# Altium PCB FlightControlBoard.PcbDoc (part 3 of 3)
Units mm, origin at the board's own origin, x right, y up, seen from the top; angles counter-clockwise.
Board outline 24.4 x 39.4 mm, 6 copper layers (Top Layer, Layer 1, Layer 2, Layer 3, Layer 4, Bottom Layer), stack 0.98 mm thick; 258 components, 219 nets, 961 pads, 811 vias.
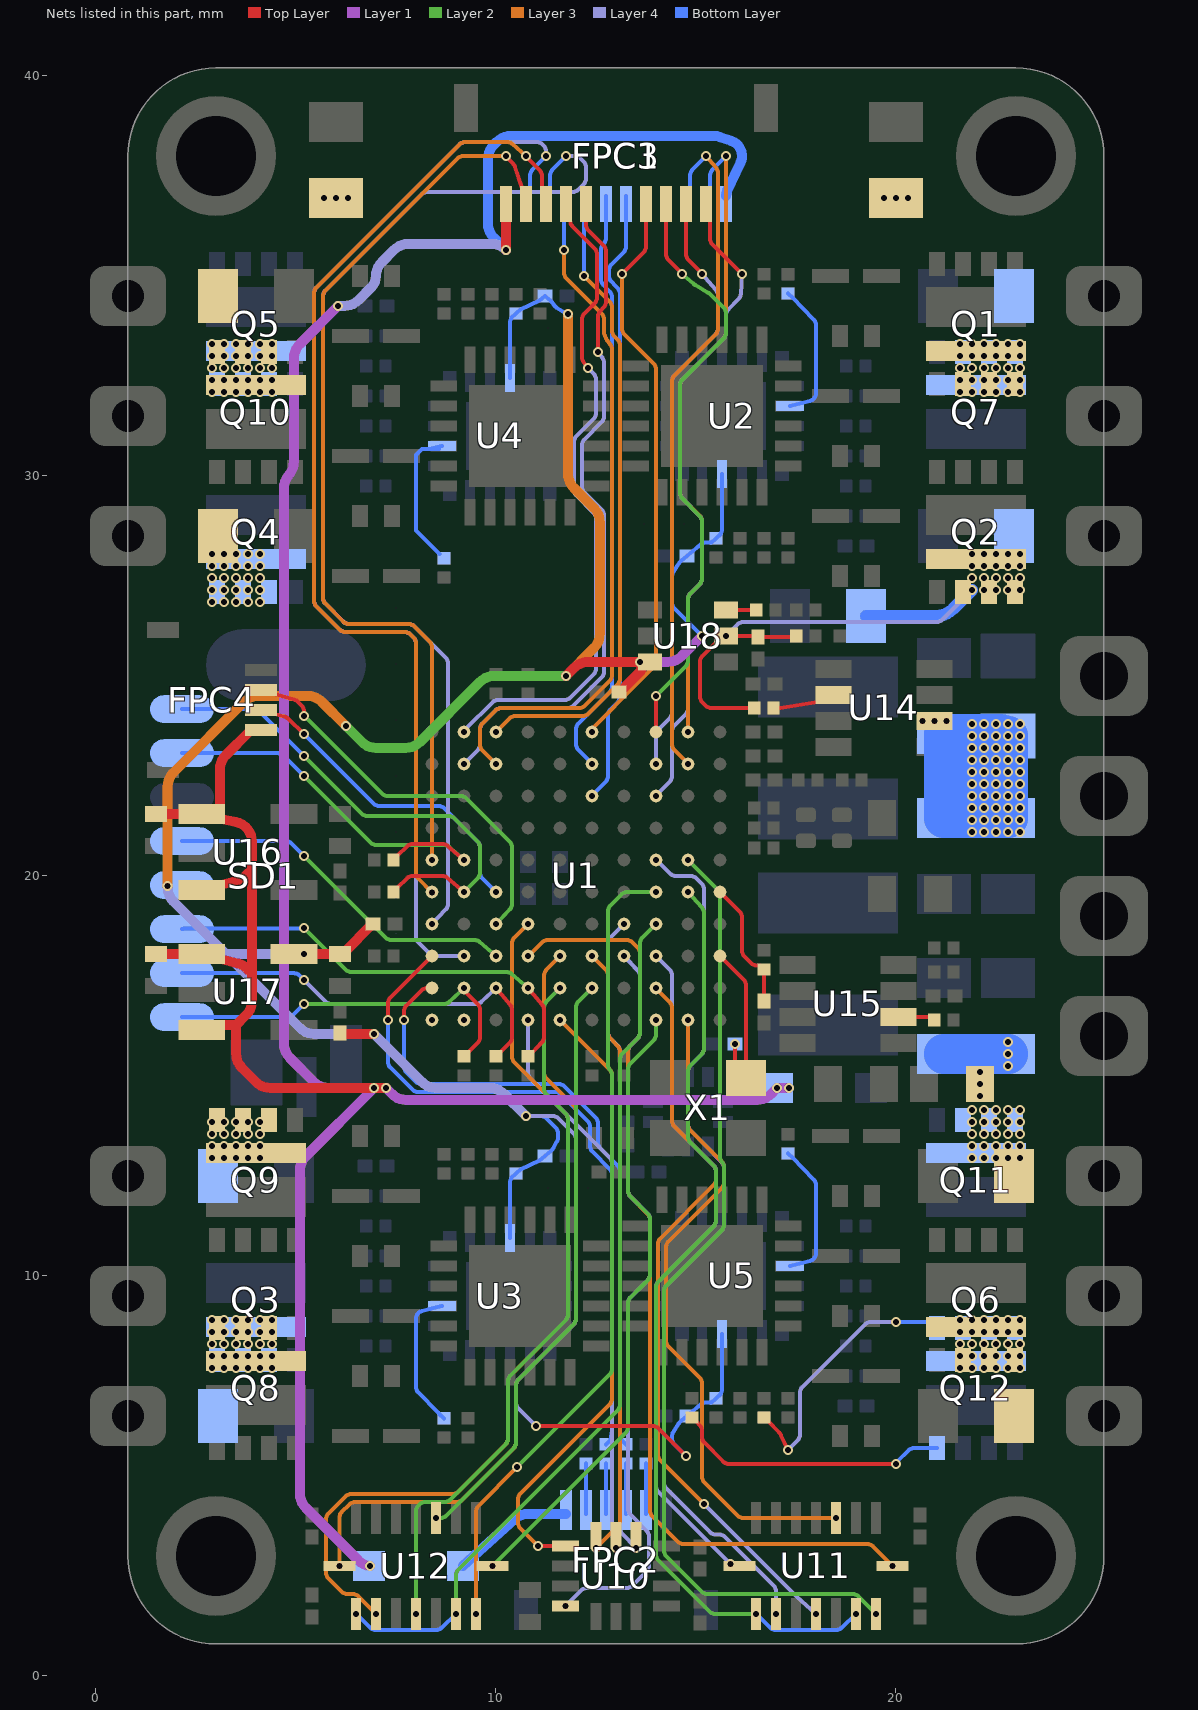
[diagram p7: the nets of this part, all layers, seen from the top]

## Via types
v1: diameter 0.25, hole 0.15, Top Layer to Bottom Layer, tented both sides, 811 vias

## Nets (pads, with @x,y where several pads share a name; then routed paths per layer and width w, separated by ;. In a path a pad name is that pad's centre, name@x,y a point inside that pad or via, vN(x,y) a via of type N, cw(c..) or ccw(c..) an arc to the next point about the centre after c; other vN are vias at no path point) (continued)
NetQ12_1: Q12.1 R67.1 | length 6.8
  Top Layer w0.1: R67.1@16.7,6.458 16.812,6.357 17.082,6.087 cw(c16.941,5.945) 17.122,6.03 v1(17.299,5.65)
  Layer 4 w0.1: v1(17.299,5.65) 17.542,5.892 ccw(c17.4,6.033) 17.6,6.033 17.6,7.084 cw(c17.8,7.084) 17.658,7.225 19.225,8.792 cw(c19.366,8.65) 19.366,8.85 v1(20,8.85)
  Bottom Layer w0.1: v1(20,8.85) 20.875,8.85 Q12.1@21.025,8.7
NetQ12_8: Q12.8 R73.1 | length 6.9
  Top Layer w0.1: R73.1@14.9,6.458 15.012,6.357 15.091,6.277 cw(c14.95,6.136) 15.15,6.136 15.15,5.973 ccw(c15.35,5.973) 15.208,5.832 15.682,5.358 ccw(c15.823,5.5) 15.823,5.3 v1(20,5.3)
  Bottom Layer w0.1: v1(20,5.3) cw(c20.187,5.229) 20.045,5.37 20.316,5.641 cw(c20.458,5.5) 20.458,5.7 Q12.8@21.025,5.7
NetR10_1: R10.1 U2.18 | length 3.5
  Bottom Layer w0.1: R10.1@17.3,34.558 17.412,34.457 17.943,33.916 cw(c17.8,33.776) 18,33.776 18,32.068 cw(c17.8,32.068) 17.849,31.874 17.651,31.825 U2.18@17.351,31.75
NetR11_1: R11.1 U3.18 | length 3.5
  Bottom Layer w0.1: U3.18@8.649,9.25 8.349,9.175 8.151,9.126 ccw(c8.2,8.932) 8,8.932 8,7.224 ccw(c8.2,7.224) 8.059,7.083 8.556,6.586 cw(c8.414,6.445) 8.588,6.543 R11.1@8.7,6.442
NetR12_1: R12.1 U4.18 | length 6.6
  Bottom Layer w0.1: U4.18@8.574,30.675 U4.18@8.349,30.675 ; R12.1@8.588,28.043 ccw(c8.414,27.945) 8.554,28.088 8,28.642 ; R12.1@8.587,28.044 ccw(c8.414,27.945) 8.555,28.086 8,28.642 ; U4.18@8.649,30.75 U4.18@8.349,30.675 ; 8,28.642 8,30.528 ; 8,28.642 8,30.528 ; 8,30.528 8.146,30.675 ; 8,30.528 8.146,30.675 ; 8.146,30.675 U4.18@8.349,30.675
NetR13_1: R13.1 U5.18 | length 3.5
  Bottom Layer w0.1: R13.1@17.3,13.058 17.412,12.957 17.943,12.416 cw(c17.8,12.276) 18,12.276 18,10.568 cw(c17.8,10.568) 17.849,10.374 17.651,10.325 U5.18@17.351,10.25
NetR91_1: R91.1 U14.6 | length 1.5
  Top Layer w0.1: R91.1@16.942,24.2 17.084,24.2 ccw(c17.084,24.4) 17.115,24.202 18.04,24.35 U14.6@18.44,24.525
NetR92_1: R92.1 U15.6 | length 0.9
  Top Layer w0.1: U15.6@20.06,16.475 20.857,16.475 R92.1@20.958,16.4
NetR95_1: R95.1 U18.6 | length 0.8
  Top Layer w0.1: U18.6@15.75,26.65 16,26.65 R95.1@16.508,26.65
NRST: C8.2 R1.1 U1.E1 | length 3.2
  Top Layer w0.1: U1.E1@15.6,19.6 16.091,19.108 cw(c15.95,18.967) 16.15,18.967 16.15,18.133 ccw(c16.35,18.133) 16.208,17.992 16.382,17.818 ccw(c16.523,17.96) 16.523,17.76 16.588,17.76 R1.1@16.7,17.658 C8.2@16.7,16.874
OSC_IN: C6.2 U1.C1 X1.3 | length 4.2
  Top Layer w0.1: U1.C1@15.6,18 16.191,17.409 cw(c16.05,17.267) 16.25,17.267 16.25,15.35 X1.3@16.25,14.95 15.974,15.35 v1(15.974,15.8)
Peripheral_3.3V: C9.1 C10.1 C11.1 C12.1 C36.2 C50.1 C52.1 C54.1 R6.1 R7.1 R8.1 R9.1 SD1.4 U2.4 U3.4 U4.4 U5.4 U17.5 U18.3 | length 75.7
  Top Layer w0.1: v1(11,6.25) 13.917,6.25 cw(c13.917,6.05) 14.059,6.191 v1(14.75,5.5)
  Top Layer w0.25: U17.5@4.954,18.05 v1(5.2,18.05) 5.955,18.05 C52.1@6.1,18.05 6.245,18.125 6.866,18.763 C36.2@6.926,18.8 ; C54.1@6.1,16.076 6.137,16.05 v1(6.95,16.05) ; v1(11.75,25) 11.954,25.204 cw(c12.307,24.85) 12.307,25.35 12.68,25.35 cw(c12.681,24.85) 12.683,25.35 v1(13.6,25.35) ; C50.1@13.074,24.6 13.134,24.637 13.603,25.107 13.629,25.137 ccw(c13.176,25.35) 13.65,25.19 v1(13.6,25.35) ; U18.3@13.85,25.35 ccw(c13.979,24.867) 13.696,25.28 13.675,25.265 v1(13.6,25.35)
  Layer 1 w0.25: v1(13.6,25.35) 14.293,25.35 ccw(c14.293,25.85) 14.646,25.496 v1(15.15,26)
  Layer 2 w0.25: v1(6.25,23.75) 6.654,23.346 ccw(c7.007,23.7) 7.007,23.2 7.743,23.2 ccw(c7.743,23.7) 8.095,23.345 9.604,24.854 cw(c9.957,24.5) 9.957,25 v1(11.75,25)
  Layer 3 w0.25: v1(1.793,19.75) 1.793,22.236 cw(c2.293,22.236) 1.938,22.588 3.704,24.354 cw(c4.057,24) 4.057,24.5 5.293,24.5 cw(c5.293,24) 5.646,24.354 v1(6.25,23.75) ; v1(11.75,25) 12.454,25.704 ccw(c12.1,26.057) 12.6,26.057 12.6,28.841 ccw(c12.1,28.841) 12.454,29.194 11.947,29.703 cw(c12.3,30.057) 11.8,30.057 v1(11.8,34.05)
  Layer 4 w0.1: v1(10.75,14) 11.417,14 cw(c11.417,13.8) 11.559,13.941 11.941,13.559 cw(c11.8,13.417) 12,13.417 12,8.933 cw(c11.8,8.933) 11.942,8.792 10.558,7.408 ccw(c10.7,7.267) 10.5,7.267 10.5,6.833 ccw(c10.7,6.833) 10.559,6.691 v1(11,6.25)
  Layer 4 w0.25: v1(1.793,19.75) 1.796,19.689 ccw(c2.295,19.712) 1.941,19.359 3.25,18.05 ; v1(5.2,18.05) 3.25,18.05 ; v1(10.75,14) 10.196,14.554 ccw(c9.843,14.2) 9.843,14.7 8.507,14.7 cw(c8.507,15.2) 8.154,14.846 v1(6.95,16.05) 5.457,16.05 cw(c5.457,16.55) 5.104,16.196 3.25,18.05
  Bottom Layer w0.1: U3.4@10.349,10.95 10.349,12.332 cw(c10.549,12.332) 10.372,12.426 10.388,12.457 R7.1@10.5,12.558 10.612,12.66 11.091,12.888 C10.1@11.226,13 11.36,13.112 11.401,13.153 ccw(c11.259,13.294) 11.434,13.197 11.525,13.361 ccw(c11.35,13.458) 11.55,13.458 11.55,13.567 ccw(c11.35,13.567) 11.491,13.709 11.259,13.941 ccw(c11.117,13.8) 11.117,14 v1(10.75,14) ; U4.4@10.349,32.45 10.349,33.832 cw(c10.549,33.832) 10.372,33.926 10.388,33.957 R8.1@10.5,34.058 10.612,34.16 11.091,34.388 C11.1@11.226,34.5 11.36,34.388 C11.1@11.367,34.381 ; C11.1@11.367,34.381 11.373,34.375 cw(c11.231,34.234) 11.391,34.353 11.47,34.248 ccw(c11.59,34.338) 11.513,34.209 11.741,34.073 ccw(c11.843,34.245) v1@11.799,34.05 ; v1(14.75,5.5) 14.458,5.792 cw(c14.6,5.933) 14.4,5.933 14.4,5.989 cw(c14.6,5.989) 14.432,6.098 14.575,6.317 cw(c14.743,6.208) 14.601,6.349 14.64,6.388 C12.1@14.774,6.5 14.909,6.612 15.126,6.794 cw(c15.254,6.64) 15.254,6.84 15.388,6.84 R9.1@15.5,6.942 15.612,7.043 15.628,7.074 ccw(c15.451,7.168) 15.651,7.168 U5.4@15.651,8.55 ; v1(15.15,26) 14.459,26.691 cw(c14.6,26.833) 14.4,26.833 14.4,27.482 cw(c14.6,27.482) 14.43,27.588 14.535,27.756 cw(c14.705,27.65) 14.537,27.759 14.576,27.817 cw(c14.743,27.708) 14.601,27.849 14.64,27.888 C9.1@14.774,28 14.909,28.112 15.126,28.294 cw(c15.254,28.14) 15.254,28.34 15.388,28.34 R6.1@15.5,28.442 15.612,28.543 15.628,28.574 ccw(c15.451,28.668) 15.651,28.668 U2.4@15.651,30.05
SDMMC_CK: SD1.5 U1.C8 | length 9
  Layer 2 w0.1: v1(5.2,20.5) 7.241,18.459 ccw(c7.383,18.6) 7.383,18.4 9.462,18.4 cw(c9.462,18.2) 9.592,18.351 v1(10,18)
  Bottom Layer w0.1: SD1.5@2.15,20.87 4.747,20.87 cw(c4.747,20.67) 4.889,20.811 v1(5.2,20.5)
SDMMC_CMD: R82.1 SD1.3 U1.B7 | length 11.3
  Top Layer w0.1: R82.1@10.8,15.492 10.912,15.593 11.145,15.835 ccw(c11,15.973) 11.2,15.973 11.2,16.658 ccw(c11,16.658) 11.152,16.787 U1.B7@10.801,17.199
  Layer 2 w0.1: v1(5.2,18.7) 6.241,17.659 ccw(c6.383,17.8) 6.383,17.6 10.262,17.6 cw(c10.262,17.4) 10.392,17.551 v1(10.8,17.2)
  Bottom Layer w0.1: SD1.3@2.15,18.67 cw(c2.226,18.485) 2.226,18.685 5.125,18.685 ccw(c5.124,18.885) v1(5.2,18.7)
SDMMC_D0: R78.1 SD1.7 U1.F9 | length 10.2
  Top Layer w0.1: R78.1@7.442,20.4 7.543,20.512 7.773,20.742 cw(c7.914,20.6) 7.914,20.8 8.658,20.8 cw(c8.658,20.6) 8.788,20.752 U1.F9@9.2,20.4
  Layer 2 w0.1: v1(5.2,22.5) 6.866,20.834 ccw(c7.008,20.975) 7.008,20.775 8.701,20.775 cw(c8.701,20.575) 8.833,20.725 v1(9.2,20.4)
  Bottom Layer w0.1: SD1.7@2.15,23.07 4.547,23.07 cw(c4.547,22.87) 4.689,23.011 v1(5.2,22.5)
SDMMC_D1: R79.1 SD1.8 U1.E9 | length 12.2
  Top Layer w0.1: R79.1@7.442,19.6 7.543,19.712 7.773,19.942 cw(c7.914,19.8) 7.914,20 8.657,20 cw(c8.657,19.8) 8.787,19.952 9.198,19.601 ccw(c9.329,19.753) v1(9.2,19.6)
  Layer 2 w0.1: v1(5.2,23) 6.641,21.559 ccw(c6.783,21.7) 6.784,21.5 8.817,21.5 cw(c8.817,21.3) 8.959,21.441 9.541,20.859 cw(c9.4,20.717) 9.6,20.717 9.6,20.083 cw(c9.4,20.083) 9.542,19.942 v1(9.2,19.6)
  Bottom Layer w0.1: SD1.8@2.15,24.17 3.947,24.17 cw(c3.947,23.97) 4.089,24.111 v1(5.2,23)
SDMMC_D2: R80.1 SD1.1 U1.B9 | length 9.3
  Top Layer w0.1: R80.1@9.2,15.492 9.312,15.593 9.542,15.823 ccw(c9.4,15.964) 9.6,15.964 9.6,16.657 ccw(c9.4,16.657) 9.541,16.799 9.256,17.084 cw(c9.398,17.225) U1.B9@9.2,17.2
  Layer 2 w0.1: v1(5.2,16.8) 8.705,16.8 ccw(c8.705,17) 8.844,16.856 v1(9.2,17.2)
  Bottom Layer w0.1: SD1.1@2.15,16.47 4.787,16.47 ccw(c4.787,16.67) 4.928,16.528 v1(5.2,16.8)
SDMMC_D3: R81.1 SD1.2 U1.B8 | length 10.3
  Top Layer w0.1: R81.1@10,15.492 10.112,15.593 10.342,15.823 ccw(c10.2,15.964) 10.4,15.964 10.4,16.658 ccw(c10.2,16.658) 10.352,16.787 U1.B8@10,17.2
  Layer 4 w0.1: v1(5.2,17.4) 5.741,16.859 ccw(c5.883,17) 5.883,16.8 9.505,16.8 ccw(c9.505,17) 9.644,16.856 v1(10,17.2)
  Bottom Layer w0.1: SD1.2@2.15,17.57 4.946,17.57 cw(c4.946,17.37) 5.087,17.512 v1(5.2,17.4)
SPI1_MISO: FPC1.10 U1.J3 | length 15.1
  Top Layer w0.1: FPC1.10@14.75,37 14.75,35.546 ccw(c14.95,35.546) 14.808,35.405 15.109,35.104 cw(c14.968,34.963) v1@15.145,35.056
  Layer 4 w0.1: v1(14,22.8) 14,23.517 cw(c14.2,23.517) 14.058,23.658 14.342,23.942 ccw(c14.2,24.083) 14.4,24.083 14.4,32.367 cw(c14.6,32.367) 14.458,32.508 15.492,33.542 ccw(c15.35,33.683) 15.55,33.683 15.55,34.517 ccw(c15.35,34.517) 15.501,34.648 v1(15.145,35.055)
SPI1_MOSI: FPC1.9 U1.K3 | length 15.2
  Top Layer w0.1: U1.K3@14,23.6 v1(14,24.5) ; FPC1.9@14.25,37 14.25,35.546 ccw(c14.45,35.546) 14.308,35.405 14.615,35.098 cw(c14.473,34.958) v1(14.65,35.05)
  Layer 2 w0.1: v1(14,24.5) 14.742,25.242 ccw(c14.6,25.383) 14.8,25.383 14.8,26.917 cw(c15,26.917) 14.858,27.058 15.092,27.292 ccw(c14.95,27.433) 15.15,27.433 15.15,28.863 ccw(c14.95,28.863) 15.092,29.004 14.658,29.442 cw(c14.8,29.583) 14.6,29.583 14.6,32.267 cw(c14.8,32.267) 14.658,32.408 15.692,33.442 ccw(c15.55,33.583) 15.75,33.583 15.75,34.067 ccw(c15.55,34.067) 15.692,34.208 15.358,34.542 ccw(c15.217,34.4) 15.32,34.572 14.978,34.776 cw(c15.145,35.055) 14.934,34.808 v1(14.65,35.05)
SPI1_SCK: FPC1.11 U1.H3 | length 16.6
  Top Layer w0.1: FPC1.11@15.25,37 15.35,36.4 15.35,35.933 ccw(c15.55,35.933) 15.409,35.791 v1(16.15,35.05)
  Layer 4 w0.1: v1(14,22) cw(c14.177,21.908) 14.036,22.049 14.342,22.355 ccw(c14.2,22.496) 14.4,22.496 14.4,23.617 cw(c14.6,23.617) 14.458,23.758 14.742,24.042 ccw(c14.6,24.183) 14.8,24.183 14.8,26.917 cw(c15,26.917) 14.858,27.058 15.092,27.292 ccw(c14.95,27.433) 15.15,27.433 15.15,28.864 ccw(c14.95,28.864) 15.092,29.005 14.659,29.441 cw(c14.8,29.583) 14.6,29.583 14.6,32.267 cw(c14.8,32.267) 14.658,32.408 15.692,33.442 ccw(c15.55,33.583) 15.75,33.583 15.75,34.027 cw(c15.95,34.027) 15.808,34.168 16.065,34.425 ccw(c15.924,34.566) 16.123,34.554 v1(16.15,35.05)
SPI2_Accel_CS: U1.F3 U11.14 | length 22
  Layer 4 w0.1: v1(14,20.4) v1(14,20.4) cw(c13.908,20.223) 14.049,20.364 14.354,20.059 ccw(c14.496,20.2) 14.496,20 14.867,20 cw(c14.867,19.8) 15.008,19.942 15.141,19.809 cw(c15,19.667) 15.2,19.667 15.2,15.683 cw(c15,15.683) 15.142,15.542 14.858,15.258 ccw(c15,15.117) 14.8,15.117 14.8,13.783 ccw(c15,13.783) 14.858,13.642 15.643,12.845 cw(c15.5,12.705) 15.7,12.705 15.7,11.283 cw(c15.5,11.283) 15.642,11.142 14.258,9.758 ccw(c14.4,9.617) 14.2,9.617 14.2,4.825 ccw(c14.4,4.825) 14.258,4.684 15.348,3.594 ccw(c15.489,3.735) 15.488,3.535 15.582,3.535 cw(c15.582,3.335) 15.723,3.477 16.943,2.257 cw(c16.802,2.115) 17.002,2.115 v1(17.002,1.55)
SPI2_Accel_Data_Ready: U1.C3 U11.16 | length 17.2
  Layer 4 w0.1: v1(14,18) 14.341,17.659 cw(c14.2,17.517) 14.4,17.517 14.4,13.883 ccw(c14.6,13.883) 14.459,13.741 15.441,12.759 cw(c15.3,12.617) 15.5,12.617 15.5,11.383 cw(c15.3,11.383) 15.442,11.242 14.058,9.858 ccw(c14.2,9.717) 14,9.717 14,4.742 ccw(c14.2,4.742) 14.058,4.601 v1(15.865,2.794)
SPI2_Gyro_CS: U1.A2 U11.5 | length 16.5
  Layer 3 w0.1: v1(14.8,16.4) 14.8,13.783 ccw(c15,13.783) 14.859,13.641 15.641,12.859 cw(c15.5,12.717) 15.7,12.717 15.7,12.333 cw(c15.5,12.333) 15.642,12.192 14.308,10.858 ccw(c14.45,10.717) 14.25,10.717 14.25,8.383 ccw(c14.45,8.383) 14.309,8.241 15.091,7.459 cw(c14.95,7.317) 15.15,7.317 15.15,4.983 ccw(c15.35,4.983) 15.208,4.842 16.042,4.008 ccw(c16.183,4.15) 16.183,3.95 v1(18.502,3.95)
SPI2_Gyro_Data_Ready: U1.B3 U11.12 | length 18.5
  Layer 3 w0.1: v1@14,17.199 ccw(c14.177,17.292) 14.036,17.151 14.341,16.845 cw(c14.2,16.704) 14.4,16.704 14.4,13.883 ccw(c14.6,13.883) 14.458,13.742 15.441,12.759 cw(c15.3,12.617) 15.5,12.617 15.5,12.416 cw(c15.3,12.416) 15.442,12.275 14.108,10.941 ccw(c14.25,10.8) 14.05,10.8 14.05,5.533 ccw(c14.25,5.533) 14.108,5.392 v1(15.2,4.3)
  Layer 4 w0.1: v1(15.2,4.3) 17.503,1.997 ccw(c17.644,2.139) 17.511,1.99 v1(18.002,1.55)
  other v1: 14,17.2
SPI2_MISO: U1.E2 U11.10 U11.15 | length 23.7
  Layer 2 w0.1: v1(14.8,19.6) 15.148,19.211 cw(c15,19.077) 15.2,19.077 15.2,15.683 cw(c15,15.683) 15.142,15.542 14.858,15.258 ccw(c15,15.117) 14.8,15.117 14.8,13.483 ccw(c15,13.483) 14.859,13.341 15.441,12.759 cw(c15.3,12.617) 15.5,12.617 15.5,11.383 cw(c15.3,11.383) 15.442,11.242 14.058,9.858 ccw(c14.2,9.717) 14,9.717 14,3.033 ccw(c14.2,3.033) 14.058,2.892 15.342,1.608 ccw(c15.483,1.75) 15.483,1.55 v1(16.502,1.55)
  Bottom Layer w0.1: v1(16.502,1.55) v1(16.502,1.55) cw(c16.41,1.373) 16.551,1.514 16.856,1.209 ccw(c16.998,1.35) 16.998,1.15 18.507,1.15 ccw(c18.507,1.35) 18.646,1.206 v1(19.002,1.55)
SPI2_MOSI: U1.F2 U11.9 | length 24.2
  Layer 2 w0.1: v1@14.801,20.4 15.541,19.659 cw(c15.4,19.517) 15.6,19.517 15.6,12.983 ccw(c15.8,12.983) 15.643,12.859 15.658,12.84 cw(c15.5,12.717) 15.7,12.717 15.7,11.283 cw(c15.5,11.283) 15.642,11.142 14.258,9.758 ccw(c14.4,9.617) 14.2,9.617 14.2,3.133 ccw(c14.4,3.133) 14.258,2.992 15.141,2.109 ccw(c15.283,2.25) 15.283,2.05 18.919,2.05 cw(c18.919,1.85) 19.061,1.991 v1(19.502,1.55)
  other v1: 14.8,20.4
SPI2_SCK: U1.C7 U11.8 | length 24
  Layer 3 w0.1: v1(10.8,18) ccw(c10.708,18.177) 10.849,18.036 11.155,18.342 cw(c11.296,18.2) 11.296,18.4 13.267,18.4 cw(c13.267,18.2) 13.409,18.341 13.541,18.209 cw(c13.4,18.067) 13.6,18.067 13.6,16.083 cw(c13.4,16.083) 13.542,15.942 13.358,15.758 ccw(c13.5,15.617) 13.3,15.617 13.3,12.133 ccw(c13.5,12.133) 13.358,11.992 ; 13.358,11.992 13.792,11.553 cw(c13.65,11.412) 13.85,11.412 13.85,4.133 ccw(c14.05,4.133) 13.908,3.992 14.542,3.358 ccw(c14.683,3.5) 14.683,3.3 19.282,3.3 cw(c19.282,3.1) 19.423,3.241 v1(19.915,2.75)
SPI3_CS: U1.D4 U10.12 | length 16
  Layer 4 w0.1: v1(13.2,18.8) 12.858,18.458 ccw(c13,18.317) 12.8,18.317 12.8,16.083 ccw(c13,16.083) 12.859,15.941 13.041,15.759 cw(c12.9,15.617) 13.1,15.617 13.1,3.695 ccw(c13.3,3.695) 13.156,3.556 v1(13.5,3.2)
SPI3_Data_Ready: U1.C4 U10.4 | length 18.6
  Layer 4 w0.1: v1(11.738,1.75) 12.13,2.142 cw(c12.271,2) 12.271,2.2 13.267,2.2 ccw(c13.267,2.4) 13.408,2.258 13.767,2.617 ccw(c13.625,2.758) 13.825,2.758 13.825,3.489 ccw(c13.625,3.489) 13.767,3.63 13.359,4.041 cw(c13.5,4.183) 13.3,4.183 13.3,9.317 cw(c13.5,9.317) 13.358,9.458 13.792,9.892 ccw(c13.65,10.033) 13.85,10.033 13.85,11.417 ccw(c13.65,11.417) 13.791,11.559 13.359,11.991 cw(c13.5,12.133) 13.3,12.133 13.3,15.617 cw(c13.5,15.617) 13.358,15.758 13.542,15.942 ccw(c13.4,16.083) 13.6,16.083 13.6,17.5 ccw(c13.4,17.5) 13.545,17.638 v1(13.2,18)
SPI3_MISO: U1.A6 U10.1 | length 15.5
  Top Layer w0.1: v1(11.05,3.25) cw(c11.053,3.05) 11.053,3.25 11.45,3.25 U10.1@11.738,3.25
  Layer 3 w0.1: v1(11.05,3.25) 10.609,3.691 cw(c10.75,3.833) 10.55,3.833 10.55,4.417 cw(c10.75,4.417) 10.608,4.558 12.842,6.792 ccw(c12.7,6.933) 12.9,6.933 12.9,15.017 ccw(c12.7,15.017) 12.841,15.159 v1(11.6,16.4)
SPI3_MOSI: U1.C5 U10.14 | length 15.3
  Layer 3 w0.1: v1(12.4,18) 12.741,17.659 cw(c12.6,17.517) 12.8,17.517 12.8,16.083 ccw(c13,16.083) 12.858,15.942 13.043,15.753 cw(c12.9,15.613) 13.1,15.613 13.1,3.883 cw(c12.9,3.883) 13.042,3.742 v1(12.5,3.2)
SPI3_SCK: U1.A7 U10.13 | length 14.1
  Layer 4 w0.1: v1(10.8,16.4) 10.8,15.083 ccw(c11,15.083) 10.859,14.941 12.841,12.959 cw(c12.7,12.817) 12.9,12.817 12.9,3.553 ccw(c13.1,3.553) 12.909,3.494 v1(13,3.2)
SPI4_Accel_CS: U1.D7 U12.14 | length 22.7
  Layer 3 w0.1: v1(7.002,1.55) 6.561,1.991 ccw(c6.419,1.85) 6.419,2.05 6.283,2.05 cw(c6.283,2.25) 6.141,2.109 5.809,2.441 cw(c5.95,2.583) 5.75,2.583 5.75,3.917 cw(c5.95,3.917) 5.808,4.058 6.242,4.492 cw(c6.383,4.35) 6.383,4.55 8.917,4.55 ccw(c8.917,4.75) 9.058,4.608 10.242,5.792 ccw(c10.1,5.933) 10.3,5.933 10.3,7.367 cw(c10.5,7.367) 10.358,7.508 11.742,8.892 ccw(c11.6,9.033) 11.8,9.033 11.8,13.917 ccw(c11.6,13.917) 11.741,14.059 10.459,15.341 cw(c10.6,15.483) 10.4,15.483 10.4,18.317 cw(c10.6,18.317) 10.458,18.458 v1(10.8,18.8)
SPI4_Accel_Data_Ready: U1.C6 U12.16 | length 19.7
  Layer 3 w0.1: v1(6.085,2.75) 6.085,3.952 cw(c6.285,3.952) 6.143,4.093 6.342,4.292 cw(c6.483,4.15) 6.483,4.35 9.017,4.35 ccw(c9.017,4.55) 9.158,4.408 10.442,5.692 ccw(c10.3,5.833) 10.5,5.833 10.5,7.267 cw(c10.7,7.267) 10.558,7.408 11.942,8.792 ccw(c11.8,8.933) 12,8.933 12,14.117 ccw(c11.8,14.117) 11.941,14.259 11.259,14.941 cw(c11.4,15.083) 11.2,15.083 11.2,17.505 cw(c11.4,17.505) 11.256,17.644 v1(11.6,18)
SPI4_Gyro_CS: U1.B5 U12.5 | length 14.9
  Layer 2 w0.1: v1(8.502,3.95) cw(c8.509,3.75) 8.509,3.95 8.617,3.95 ccw(c8.617,4.15) 8.758,4.008 10.442,5.692 ccw(c10.3,5.833) 10.5,5.833 10.5,7.267 cw(c10.7,7.267) 10.558,7.408 11.942,8.792 ccw(c11.8,8.933) 12,8.933 12,16.717 cw(c12.2,16.717) 12.058,16.858 v1(12.4,17.2)
SPI4_Gyro_Data_Ready: U1.B6 U12.12 | length 17.9
  Layer 2 w0.1: v1(8.002,1.55) 8.002,4.121 cw(c8.202,4.121) 8.06,4.262 8.09,4.292 cw(c8.231,4.15) 8.231,4.35 8.717,4.35 ccw(c8.717,4.55) 8.858,4.408 10.242,5.792 ccw(c10.1,5.933) 10.3,5.933 10.3,7.367 cw(c10.5,7.367) 10.358,7.508 11.742,8.892 ccw(c11.6,9.033) 11.8,9.033 11.8,13.917 ccw(c11.6,13.917) 11.741,14.059 11.259,14.541 cw(c11.4,14.683) 11.2,14.683 11.2,16.705 cw(c11.4,16.705) 11.256,16.844 v1(11.6,17.2)
SPI4_MISO: U1.D3 U12.10 U12.15 | length 22.1
  Layer 2 w0.1: v1(9.002,1.55) 9.002,2.519 cw(c9.202,2.519) 9.06,2.66 13.042,6.642 ccw(c12.9,6.783) 13.1,6.783 13.1,15.417 cw(c13.3,15.417) 13.158,15.558 13.542,15.942 ccw(c13.4,16.083) 13.6,16.083 13.6,18.317 cw(c13.8,18.317) 13.658,18.458 v1(14,18.8)
  Bottom Layer w0.1: v1(6.502,1.55) v1(6.502,1.55) cw(c6.41,1.373) 6.551,1.514 6.856,1.209 ccw(c6.998,1.35) 6.998,1.15 8.507,1.15 ccw(c8.507,1.35) 8.646,1.206 v1(9.002,1.55)
SPI4_MOSI: U1.E3 U12.9 | length 20.4
  Layer 2 w0.1: v1(10.53,5.22) 12.842,7.532 ccw(c12.7,7.673) 12.9,7.673 12.9,15.017 ccw(c12.7,15.017) 12.858,15.14 12.843,15.159 cw(c13,15.283) 12.8,15.283 12.8,19.117 cw(c13,19.117) 12.858,19.258 13.142,19.542 cw(c13.283,19.4) 13.283,19.6 v1(14,19.6)
  Layer 3 w0.1: v1(9.502,1.55) 9.502,4.11 cw(c9.702,4.11) 9.56,4.251 v1(10.53,5.22)
SPI4_SCK: U1.A3 U12.8 | length 15.7
  Layer 2 w0.1: v1(9.915,2.75) 13.242,6.077 ccw(c13.1,6.218) 13.3,6.218 13.3,9.317 cw(c13.5,9.317) 13.358,9.458 13.792,9.892 ccw(c13.65,10.033) 13.85,10.033 13.85,11.417 ccw(c13.65,11.417) 13.791,11.559 13.359,11.991 cw(c13.5,12.133) 13.3,12.133 13.3,15.167 cw(c13.5,15.167) 13.358,15.308 13.942,15.892 ccw(c13.8,16.033) 14,16.033 v1(14,16.4)
SRGBLED: FPC1.8 U1.K5 | length 14.6
  Top Layer w0.1: v1(13.15,35.05) 13.692,35.592 ccw(c13.55,35.733) 13.75,35.733 FPC1.8@13.75,37
  Layer 3 w0.1: v1@12.4,23.601 cw(c12.6,23.6) 12.458,23.741 13.487,24.77 cw(c13.629,24.629) 13.488,24.771 13.942,25.225 ccw(c13.8,25.366) 14,25.366 14,32.667 ccw(c13.8,32.667) 13.941,32.809 13.208,33.542 cw(c13.35,33.683) 13.15,33.683 v1(13.15,35.05)
  other v1: 12.4,23.6
SWCLK: P1.1 U1.A9
  other v1: 9.2,16.4
SWDIO: P3.1 U1.A10
  other v1: 8.4,16.4
System_5V: C48.1 C49.1 D13.1 D14.1 FPC1.1 FPC3.1 FPC4.1 U16.1 U16.3 U17.1 U17.3 | length 82.3
  Top Layer w0.25: C49.1@1.5,18.05 1.645,18.05 2.193,18.05 U17.1@2.646,18.05 3.1,17.93 3.56,17.808 cw(c3.432,17.325) 3.785,17.679 3.9,17.564 ; C48.1@1.5,21.55 1.645,21.55 2.193,21.55 U16.1@2.646,21.55 2.98,21.55 3.1,21.67 3.1,22.668 cw(c3.6,22.668) 3.245,23.02 3.85,23.625 FPC4.1@4.125,23.65 ; U17.3@2.646,16.15 3.1,16.27 3.504,16.27 ; U16.3@2.646,19.65 3.1,19.77 3.519,19.881 ccw(c3.391,20.364) 3.744,20.01 3.9,20.166 ; U16.1@2.94,21.433 3.1,21.43 3.502,21.346 cw(c3.4,20.857) 3.9,20.857 3.9,20.166 ; v1(7.25,14.7) 4.357,14.7 cw(c4.357,15.2) 4.004,14.846 3.649,15.201 cw(c4.004,15.553) 3.504,15.553 3.504,16.27 ; v1(10.25,35.65) 10.25,36.475 FPC1.1@10.25,36.9 ; 3.504,16.27 3.754,16.521 ccw(c3.4,16.873) 3.9,16.873 3.9,17.564 ; 3.9,17.564 3.9,20.166
  Layer 1 w0.25: v1(6.05,34.25) 5.095,33.295 ccw(c5.45,32.943) 4.95,32.943 4.95,30.357 cw(c4.45,30.357) 4.844,30.049 4.806,30 ccw(c5.2,29.693) 4.7,29.693 4.7,15.807 ccw(c5.2,15.807) 4.846,15.454 5.454,14.846 ccw(c5.807,15.2) 5.807,14.7 v1(6.95,14.7) ; v1(6.85,2.75) cw(c6.911,3.246) 6.559,2.891 5.246,4.204 cw(c5.6,4.557) 5.1,4.557 5.1,12.643 cw(c5.6,12.643) 5.245,12.995 v1(6.95,14.7) ; v1(17.327,14.7) v1(17.027,14.7) 16.873,14.545 cw(c16.52,14.9) 16.52,14.4 7.757,14.4 cw(c7.757,14.9) 7.404,14.546 v1(7.25,14.7) v1(6.95,14.7)
  Layer 4 w0.25: v1(6.05,34.25) 6.209,34.25 ccw(c6.209,34.75) 6.561,34.395 6.883,34.718 ccw(c6.6,35) 7,34.995 7,35 cw(c7.5,34.993) 7.145,35.345 7.454,35.654 cw(c7.807,35.3) 7.807,35.8 9.893,35.8 cw(c9.893,35.3) 10.242,35.658 10.248,35.652 cw(c9.901,35.292) v1(10.25,35.65)
  Bottom Layer w0.25: v1(10.25,35.65) 9.946,35.954 cw(c10.3,36.307) 9.8,36.307 9.8,37.927 cw(c10.3,37.927) 9.945,38.279 10.021,38.354 cw(c10.373,38) 10.373,38.5 15.44,38.5 cw(c15.44,38) 15.602,38.473 15.878,38.379 cw(c15.75,38) 16.111,37.827 15.775,37.125 FPC3.1@15.75,37
UART4_RX: FPC4.3 U1.D8 | length 10
  Top Layer w0.1: FPC4.3@4.125,24.65 4.475,24.55 4.95,24.414 cw(c4.895,24.222) 5.037,24.363 5.141,24.259 cw(c5,24.117) 5.2,24.117 v1(5.2,24)
  Layer 2 w0.1: v1(5.2,24) v1@5.205,24.005 ; v1@5.201,24 cw(c5.1,23.827) 5.241,23.968 7.151,22.059 ccw(c7.292,22.2) 7.292,22 9.117,22 cw(c9.117,21.8) 9.259,21.941 10.341,20.859 cw(c10.2,20.717) 10.4,20.717 10.4,19.295 cw(c10.2,19.295) 10.344,19.156 v1(10,18.8)
UART4_TX: FPC4.2 U1.E8 | length 8.1
  Top Layer w0.1: FPC4.2@4.125,24.15 4.475,24.05 4.716,23.981 cw(c4.661,23.789) 4.8,23.933 4.81,23.924 ; 4.81,23.924 v1(5.2,23.55)
  Bottom Layer w0.1: v1(5.2,23.55) 6.941,21.809 ccw(c7.083,21.95) 7.084,21.75 8.567,21.75 cw(c8.567,21.55) 8.709,21.691 9.541,20.859 cw(c9.4,20.717) 9.6,20.717 9.6,20.083 ccw(c9.8,20.083) 9.658,19.942 v1(10,19.6)
UART5_RX: FPC3.8 U1.K8 | length 16.1
  Layer 3 w0.1: v1(10,23.6) 10.342,23.942 cw(c10.483,23.8) 10.483,24 12.167,24 ccw(c12.167,24.2) 12.308,24.058 13.042,24.792 ccw(c12.9,24.933) 13.1,24.933 13.1,33.267 ccw(c12.9,33.267) 13.042,33.408 12.959,33.491 cw(c13.1,33.633) 12.9,33.633 12.9,34.217 ccw(c12.7,34.217) 12.841,34.359 v1@12.2,35
  Bottom Layer w0.1: v1(12.2,35) 12.2,36.4 FPC3.8@12.25,37
UART5_TX: FPC3.9 U1.J8 | length 17.4
  Layer 3 w0.1: v1(10,22.8) 9.659,23.141 cw(c9.8,23.283) 9.6,23.283 9.6,23.667 cw(c9.8,23.667) 9.658,23.808 9.992,24.142 cw(c10.133,24) 10.133,24.2 12.084,24.2 ccw(c12.084,24.4) 12.225,24.258 12.842,24.875 ccw(c12.7,25.016) 12.9,25.016 12.9,33.167 ccw(c12.7,33.167) 12.86,33.287 12.78,33.392 cw(c13.1,33.633) 12.7,33.633 12.7,33.917 ccw(c12.5,33.917) 12.641,34.059 11.759,34.941 cw(c11.9,35.083) 11.7,35.083 v1(11.7,35.65)
  Bottom Layer w0.1: v1(11.7,35.65) 11.7,36.4 FPC3.9@11.75,37
UART7_RX: FPC3.6 U1.H5 | length 15.5
  Bottom Layer w0.1: v1(12.4,22) cw(c12.577,21.908) 12.436,22.049 12.742,22.355 ccw(c12.6,22.496) 12.8,22.496 12.8,24.017 cw(c13,24.017) 12.858,24.158 13.042,24.342 ccw(c12.9,24.483) 13.1,24.483 13.1,34.554 ccw(c12.9,34.554) 13.043,34.694 12.986,34.752 ; 12.985,34.753 12.883,34.857 cw(c13.025,34.998) 12.825,34.998 12.825,35.142 cw(c13.025,35.142) 12.883,35.283 13.192,35.592 ccw(c13.05,35.733) 13.25,35.733 FPC3.6@13.25,37
UART7_TX: FPC3.7 U1.J5 | length 14.8
  Bottom Layer w0.1: v1@12.4,22.801 ccw(c12.223,22.708) 12.363,22.85 12.058,23.155 cw(c12.2,23.296) 12,23.296 12,23.667 cw(c12.2,23.667) 12.058,23.808 12.842,24.592 ccw(c12.7,24.733) 12.9,24.733 12.9,34.471 ccw(c12.7,34.471) 12.843,34.611 12.683,34.775 cw(c12.825,34.915) 12.625,34.915 12.625,35.655 cw(c12.825,35.655) 12.683,35.796 12.692,35.804 ccw(c12.55,35.945) 12.75,35.945 FPC3.7@12.75,37
  other v1: 12.4,22.8
USART1_RX: FPC3.10 U1.D10 | length 28
  Layer 4 w0.1: v1(8.4,18.8) 8.744,19.156 ccw(c8.6,19.295) 8.8,19.295 8.8,25.317 ccw(c8.6,25.317) 8.741,25.459 7.959,26.241 ccw(c7.817,26.1) 7.817,26.3 6.323,26.3 cw(c6.323,26.5) 6.182,26.358 5.733,26.807 cw(c5.875,26.948) 5.675,26.948 5.675,34.492 cw(c5.875,34.492) 5.733,34.633 8.142,37.042 cw(c8.283,36.9) 8.283,37.1 11.917,37.1 ccw(c11.917,37.3) 12.058,37.158 12.192,37.292 ccw(c12.05,37.433) 12.25,37.433 12.25,37.717 ccw(c12.05,37.717) 12.191,37.859 12.109,37.941 ccw(c11.967,37.8) 11.967,38 v1(11.75,38)
  Bottom Layer w0.1: FPC3.10@11.25,37 11.35,37.2 11.35,37.505 cw(c11.55,37.505) 11.406,37.644 v1(11.75,38)
USART1_TX: FPC3.11 U1.C9 | length 28.3
  Layer 4 w0.1: v1(9.2,18) 8.483,18 cw(c8.483,18.2) 8.341,18.059 8.058,18.342 cw(c8.2,18.483) 8,18.483 8,25.817 ccw(c7.8,25.817) 7.941,25.959 7.859,26.041 ccw(c7.717,25.9) 7.717,26.1 6.233,26.1 cw(c6.233,26.3) 6.092,26.158 5.508,26.742 cw(c5.65,26.883) 5.45,26.883 5.45,34.567 cw(c5.65,34.567) 5.508,34.708 9.092,38.292 cw(c9.233,38.15) 9.233,38.35 11.017,38.35 cw(c11.017,38.15) 11.158,38.292 11.192,38.258 cw(c11.05,38.117) 11.25,38.117 11.25,38.006 cw(c11.05,38.007) v1(11.25,38)
  Bottom Layer w0.1: FPC3.11@10.75,37 10.85,37.2 10.85,37.505 cw(c11.05,37.505) 10.906,37.644 v1(11.25,38)
USART2_RX: FPC3.2 U1.K2 | length 16.4
  Layer 3 w0.1: v1(14.8,23.6) 14.8,26.917 cw(c15,26.917) 14.858,27.058 15.092,27.292 ccw(c14.95,27.433) 15.15,27.433 15.15,28.867 ccw(c14.95,28.867) 15.091,29.009 14.659,29.441 cw(c14.8,29.583) 14.6,29.583 14.6,32.267 cw(c14.8,32.267) 14.658,32.408 15.692,33.442 ccw(c15.55,33.583) 15.75,33.583 v1(15.75,38)
  Bottom Layer w0.1: FPC3.2@15.25,37 15.35,37.2 15.35,37.505 cw(c15.55,37.505) 15.406,37.644 v1(15.75,38)
USART2_TX: FPC3.3 U1.J2 | length 17.1
  Layer 3 w0.1: v1(14.8,22.8) ccw(c14.623,22.708) 14.763,22.85 14.459,23.154 cw(c14.6,23.296) 14.4,23.296 14.4,32.367 cw(c14.6,32.367) 14.458,32.508 15.492,33.542 ccw(c15.35,33.683) 15.55,33.683 15.55,37.577 ccw(c15.35,37.577) 15.501,37.708 v1@15.251,37.999
  Bottom Layer w0.1: FPC3.3@14.75,37 14.85,37.2 14.85,37.505 cw(c15.05,37.505) 14.907,37.645 v1@15.249,37.999
  other v1: 15.25,38
USART3_RX: FPC1.5 U1.J9 | length 17.4
  Top Layer w0.1: FPC1.5@12.25,37 12.25,36.283 ccw(c12.45,36.283) 12.308,36.142 12.691,35.759 cw(c12.55,35.617) 12.75,35.617 12.75,34.353 cw(c12.55,34.353) 12.692,34.212 12.608,34.129 ccw(c12.75,33.987) 12.55,33.987 v1(12.55,33.1)
  Layer 4 w0.1: v1(9.2,22.8) 9.542,23.142 ccw(c9.4,23.283) 9.6,23.283 9.6,23.667 cw(c9.8,23.667) 9.658,23.808 9.992,24.142 cw(c10.133,24) 10.133,24.2 11.801,24.2 ccw(c11.801,24.4) 11.943,24.258 12.642,24.957 ccw(c12.5,25.099) 12.7,25.099 12.7,29.017 ccw(c12.5,29.017) 12.641,29.159 12.209,29.591 cw(c12.35,29.733) 12.15,29.733 12.15,30.769 cw(c12.35,30.769) 12.208,30.91 12.642,31.344 ccw(c12.5,31.485) 12.7,31.485 12.7,32.834 ccw(c12.5,32.834) 12.659,32.956 v1(12.55,33.1)
USART3_TX: FPC1.4 U1.K9 | length 16.8
  Top Layer w0.1: FPC1.4@11.75,37 11.85,36.4 11.86,36.343 ccw(c12.057,36.376) 11.916,36.234 12.466,35.684 cw(c12.325,35.542) 12.525,35.542 12.525,34.458 cw(c12.325,34.458) 12.467,34.317 12.208,34.058 ccw(c12.35,33.917) 12.15,33.917 12.15,32.966 ccw(c12.35,32.966) 12.19,32.845 v1(12.3,32.7)
  Layer 4 w0.1: v1(9.2,23.6) cw(c9.391,23.541) 9.25,23.683 9.909,24.342 cw(c10.05,24.2) 10.05,24.4 11.719,24.4 ccw(c11.719,24.6) 11.86,24.458 12.442,25.04 ccw(c12.3,25.181) 12.5,25.181 12.5,28.934 ccw(c12.3,28.934) 12.441,29.076 12.009,29.508 cw(c12.15,29.65) 11.95,29.65 11.95,30.852 cw(c12.15,30.852) 12.008,30.993 12.442,31.427 ccw(c12.3,31.568) 12.5,31.568 12.5,32.416 ccw(c12.3,32.416) 12.442,32.557 v1(12.3,32.7)
USART6_RX: FPC1.3 U1.E10 | length 25.3
  Top Layer w0.1: v1(10.75,38) ccw(c10.928,38.092) 10.786,37.951 11.091,37.645 cw(c10.95,37.504) 11.15,37.504 11.15,37.2 FPC1.3@11.25,37
  Layer 3 w0.1: v1(8.4,19.585) 8.056,19.943 cw(c8.2,20.082) 8,20.082 8,25.817 ccw(c7.8,25.817) 7.941,25.959 7.859,26.041 ccw(c7.717,25.9) 7.717,26.1 6.233,26.1 cw(c6.233,26.3) 6.092,26.158 5.508,26.742 cw(c5.65,26.883) 5.45,26.883 5.45,34.567 cw(c5.65,34.567) 5.508,34.708 9.092,38.292 cw(c9.233,38.15) 9.233,38.35 10.28,38.35 cw(c10.28,38.15) 10.413,38.299 v1(10.75,38)
USART6_TX: FPC1.2 U1.F10 | length 23.4
  Top Layer w0.1: v1@10.251,37.999 ccw(c10.428,38.092) 10.286,37.951 10.423,37.814 cw(c10.282,37.672) 10.472,37.735 10.65,37.2 FPC1.2@10.75,36.9
  Layer 3 w0.1: v1(8.4,20.4) 8.4,25.717 ccw(c8.2,25.717) 8.341,25.859 7.959,26.241 ccw(c7.817,26.1) 7.817,26.3 6.323,26.3 cw(c6.323,26.5) 6.182,26.358 5.733,26.807 cw(c5.875,26.948) 5.675,26.948 5.675,34.492 cw(c5.875,34.492) 5.733,34.633 9.042,37.942 cw(c9.183,37.8) 9.183,38 v1(10.25,38)
USB_5V: D13.2 FPC2.1 | length 3.1
  Bottom Layer w0.25: D13.2@9.173,2.75 9.448,3 10.46,3.92 cw(c10.796,3.55) 10.796,4.05 FPC2.1@11.75,4.05
USB_CC1: FPC2.5 R83.2 | length 1.3
  Bottom Layer w0.1: FPC2.5@13.75,4.05 13.75,5.207 R83.2@13.75,5.308
USB_CC2: FPC2.2 R84.1 | length 1.3
  Bottom Layer w0.1: FPC2.2@12.25,4.05 12.25,5.207 R84.1@12.25,5.308
USB_D+: FPC2.4 R85.1 | length 1.3
  Bottom Layer w0.1: FPC2.4@13.25,4.05 13.25,5.207 R85.1@13.25,5.308
USB_D-: FPC2.3 R86.1 | length 1.3
  Bottom Layer w0.1: FPC2.3@12.75,4.05 12.75,5.207 R86.1@12.75,5.308
USB_DM: R86.2 U1.C10 | length 17.1
  Top Layer w0.1: v1(7.3,16.4) 7.3,16.817 cw(c7.5,16.817) 7.358,16.958 U1.C10@8.4,18
  Bottom Layer w0.1: v1(7.3,16.4) 7.3,15.35 ccw(c7.5,15.35) 7.358,15.209 7.909,14.658 ccw(c8.05,14.8) 8.05,14.6 11.484,14.6 cw(c11.484,14.4) 11.626,14.541 12.291,13.876 cw(c12.15,13.734) 12.35,13.734 12.35,13.25 ccw(c12.55,13.25) 12.408,13.109 12.841,12.676 cw(c12.7,12.534) 12.9,12.534 12.9,6.166 cw(c12.7,6.166) 12.898,6.137 12.862,5.893 R86.2@12.75,5.792
USB_DP: R85.2 U1.B10 | length 16.1
  Top Layer w0.1: v1(7.7,16.4) 7.7,16.617 cw(c7.9,16.617) 7.758,16.758 8.142,17.142 cw(c8.283,17) 8.283,17.2 8.395,17.2 cw(c8.394,17) U1.B10@8.4,17.2
  Bottom Layer w0.1: v1(7.7,16.4) 7.7,15.233 ccw(c7.9,15.233) 7.758,15.092 7.992,14.858 ccw(c8.133,15) 8.133,14.8 11.567,14.8 cw(c11.567,14.6) 11.709,14.741 12.491,13.959 cw(c12.35,13.817) 12.55,13.817 12.55,13.333 ccw(c12.75,13.333) 12.608,13.192 13.041,12.759 cw(c12.9,12.617) 13.1,12.617 13.1,6.138 ccw(c13.3,6.138) 13.103,6.105 13.138,5.893 R85.2@13.25,5.792
VBAT: C41.1 C55.1 C56.1 C57.1 C58.1 C59.1 C60.1 C61.1 C62.1 C63.1 C64.1 C65.1 C66.1 C67.1 C68.1 C69.1 C70.1 C71.1 C72.1 C73.1 Q1.2 Q1.3 Q1.4 Q1.9 Q2.2 Q2.3 Q2.4 Q2.9 Q3.2 Q3.3 Q3.4 Q3.9 Q4.2 Q4.3 Q4.4 Q4.9 Q5.2 Q5.3 Q5.4 Q5.9 Q6.2 Q6.3 Q6.4 Q6.9 Q7.2 Q7.3 Q7.4 Q7.9 Q8.2 Q8.3 Q8.4 Q8.9 Q9.2 Q9.3 Q9.4 Q9.9 Q10.2 Q10.3 Q10.4 Q10.9 Q11.2 Q11.3 Q11.4 Q11.9 Q12.2 Q12.3 Q12.4 Q12.9 R91.2 R94.2 R96.2 U14.2 U18.5 | length 26.2
  Top Layer w0.1: R91.2@16.458,24.2 15.383,24.2 cw(c15.383,24.4) 15.242,24.258 15.159,24.341 cw(c15.3,24.483) 15.1,24.483 15.1,25.357 cw(c15.3,25.357) 15.158,25.498 15.5,25.84 v1(15.75,26) 16.438,26 C55.1@16.55,25.974 17.407,25.974 R94.2@17.508,26
  Layer 4 w0.1: v1(15.75,26) 16.042,26.292 cw(c16.183,26.15) 16.183,26.35 21.017,26.35 ccw(c21.017,26.55) 21.158,26.408 v1(21.9,27.15)
  Bottom Layer w0.3: C72.1@19.25,26.5 21.001,26.5 ccw(c21.001,27.1) 21.425,26.675 v1(21.9,27.15)
  Bottom Layer w1: C62.1@21.2,15.55 v1(22.8,15.55) ; v1(21.9,21.7) v1(21.9,22) ; v1(21.9,22.3) v1(21.9,22.9) ; v1(21.9,23.2) v1(21.9,23.5) ; v1(22.2,21.7) v1(22.2,22.3) ; v1(22.2,22.6) v1(22.2,23.5) ; C56.1@21.2,21.45 C58.1@22.8,21.45 v1(22.8,23.5) 22.611,23.55 C60.1@21.2,23.55 C56.1@21.2,21.45
  other v1: 2.9,7.7 3.2,7.7 3.5,7.7 3.8,7.7 4.1,7.7 4.4,7.7 21.6,7.7 21.9,7.7 22.2,7.7 22.5,7.7 22.8,7.7 23.1,7.7 2.9,8 3.2,8 3.5,8 3.8,8 4.1,8 4.4,8 21.6,8 21.9,8 22.2,8 22.5,8 22.8,8 23.1,8 2.9,8.3 3.2,8.3 3.5,8.3 3.8,8.3 4.1,8.3 4.4,8.3 21.6,8.3 21.9,8.3 22.2,8.3 22.5,8.3 22.8,8.3 23.1,8.3 2.9,8.6 3.2,8.6 3.5,8.6 3.8,8.6 4.1,8.6 4.4,8.6 21.6,8.6 21.9,8.6 22.2,8.6 22.5,8.6 22.8,8.6 23.1,8.6 2.9,8.9 3.2,8.9 3.5,8.9 3.8,8.9 4.1,8.9 4.4,8.9 21.6,8.9 21.9,8.9 22.2,8.9 22.5,8.9 22.8,8.9 23.1,8.9 2.9,12.95 3.2,12.95 3.5,12.95 3.8,12.95 4.1,12.95 21.9,12.95 22.2,12.95 22.5,12.95 22.8,12.95 23.1,12.95 2.9,13.25 3.2,13.25 3.5,13.25 3.8,13.25 4.1,13.25 21.9,13.25 22.2,13.25 22.5,13.25 22.8,13.25 23.1,13.25 2.9,13.55 3.2,13.55 3.5,13.55 3.8,13.55 4.1,13.55 21.9,13.55 22.2,13.55 22.5,13.55 22.8,13.55 23.1,13.55 2.9,13.85 3.2,13.85 3.5,13.85 3.8,13.85 4.1,13.85 21.9,13.85 22.2,13.85 22.5,13.85 22.8,13.85 23.1,13.85 21.9,14.15 22.2,14.15 22.5,14.15 22.8,14.15 23.1,14.15 22.1,14.5 22.1,14.8 22.1,15.1 22.8,15.25 22.8,15.85 21.9,21.1 22.2,21.1 22.5,21.1 22.8,21.1 23.1,21.1 21.9,21.4 22.2,21.4 22.5,21.4 22.8,21.4 23.1,21.4 22.5,21.7 22.8,21.7 23.1,21.7 22.2,22 22.5,22 22.8,22 23.1,22 22.5,22.3 22.8,22.3 23.1,22.3 21.9,22.6 22.5,22.6 22.8,22.6 23.1,22.6 22.2,22.9 22.5,22.9 22.8,22.9 23.1,22.9 22.2,23.2 22.5,23.2 22.8,23.2 23.1,23.2 22.5,23.5 23.1,23.5 21.9,23.8 22.2,23.8 22.5,23.8 22.8,23.8 23.1,23.8 20.66,23.875 20.96,23.875 21.26,23.875 2.9,26.85 3.2,26.85 3.5,26.85 3.8,26.85 4.1,26.85 2.9,27.15 3.2,27.15 3.5,27.15 3.8,27.15 4.1,27.15 22.2,27.15 22.5,27.15 22.8,27.15 23.1,27.15 2.9,27.45 3.2,27.45 3.5,27.45 3.8,27.45 4.1,27.45 21.9,27.45 22.2,27.45 22.5,27.45 22.8,27.45 23.1,27.45 2.9,27.75 3.2,27.75 3.5,27.75 3.8,27.75 4.1,27.75 21.9,27.75 22.2,27.75 22.5,27.75 22.8,27.75 23.1,27.75 2.9,28.05 3.2,28.05 3.5,28.05 3.8,28.05 4.1,28.05 21.9,28.05 22.2,28.05 22.5,28.05 22.8,28.05 23.1,28.05 2.9,32.1 3.2,32.1 3.5,32.1 3.8,32.1 4.1,32.1 4.4,32.1 21.6,32.1 21.9,32.1 22.2,32.1 22.5,32.1 22.8,32.1 23.1,32.1 2.9,32.4 3.2,32.4 3.5,32.4 3.8,32.4 4.1,32.4 4.4,32.4 21.6,32.4 21.9,32.4 22.2,32.4 22.5,32.4 22.8,32.4 23.1,32.4 2.9,32.7 3.2,32.7 3.5,32.7 3.8,32.7 4.1,32.7 4.4,32.7 21.6,32.7 21.9,32.7 22.2,32.7 22.5,32.7 22.8,32.7 23.1,32.7 2.9,33 3.2,33 3.5,33 3.8,33 4.1,33 4.4,33 21.6,33 21.9,33 22.2,33 22.5,33 22.8,33 23.1,33 2.9,33.3 3.2,33.3 3.5,33.3 3.8,33.3 4.1,33.3 4.4,33.3 21.6,33.3 21.9,33.3 22.2,33.3 22.5,33.3 22.8,33.3 23.1,33.3 5.7,36.95 6,36.95 6.3,36.95 19.7,36.95 20,36.95 20.3,36.95
pads on no net: U1.A1 U1.B1 U1.D1 U1.D6 U1.D9 U1.G3 U1.G5 U1.G6 U1.G7 U1.G9 U1.G10 U1.H6 U1.H7 U1.H9 U1.H10 U1.J6 U1.K6 U2.7 U2.15 U2.16 U2.17 U3.7 U3.15 U3.16 U3.17 U4.7 U4.15 U4.16 U4.17 U5.7 U5.15 U5.16 U5.17 U6.5 U6.7 U6.8 U6.21 U7.5 U7.7 U7.8 U7.21 U8.5 U8.7 U8.8 U8.21 U9.5 U9.7 U9.8 U9.21 U10.9 U11.1 U11.13 U12.1 U12.13 U16.4 U17.4

## Polygon pours and split planes (outlines as drawn)
GND on Top Layer "GND_L01_P028" (solid, remove dead copper, pour order 28): 0.8,0.8 0.8,40.2 25.2,40.2 25.2,0.8
VBAT on Top Layer "VBAT_L01_P015" (solid, pour order 15): 23.25,28.2 20.75,28.2 20.75,27.65 21.45,27.65 21.45,26.8 23.25,26.8
VBAT on Top Layer "VBAT_L01_P014" (solid, pour order 14): 23.25,33.45 20.75,33.45 20.75,32.85 21.45,32.85 21.45,31.95 23.25,31.95
VBAT on Top Layer "VBAT_L01_P009" (solid, pour order 9): 2.75,12.8 5.25,12.8 5.25,13.35 4.55,13.35 4.55,14.2 2.75,14.2
VBAT on Top Layer "VBAT_L01_P008" (solid, pour order 8): 2.75,7.55 5.25,7.55 5.25,8.15 4.55,8.15 4.55,9.05 2.75,9.05
VBAT on Top Layer "VBAT_L01_P005" (solid, pour order 5): 2.75,28.2 2.75,26.7 4.25,26.7 4.25,28.2
VBAT on Top Layer "VBAT_L01_P004" (solid, pour order 4): 5.25,31.95 2.75,31.95 2.75,35.2 3.55,35.2 3.55,33.4 4.55,33.4 4.55,32.55 5.25,32.55
VBAT on Top Layer "VBAT_L01_P003" (solid, pour order 3): 23.25,12.8 23.25,14.3 21.75,14.3 21.75,12.8
VBAT on Top Layer "VBAT_L01_P000" (solid, pour order 0): 20.75,9.05 23.25,9.05 23.25,5.8 22.45,5.8 22.45,7.55 21.45,7.55 21.45,8.45 20.75,8.45
GND on Bottom Layer "GND_L06_P027" (solid, remove dead copper, pour order 27): 0.8,0.8 0.8,40.2 25.2,40.2 25.2,0.8
VBAT on Bottom Layer "VBAT_L06_P013" (solid, pour order 13): 21.75,28.2 21.75,27 23.25,27 23.25,28.2
VBAT on Bottom Layer "VBAT_L06_P012" (solid, pour order 12): 20.75,31.95 23.25,31.95 23.25,35.2 22.45,35.2 22.45,33.45 21.45,33.45 21.45,32.55 20.75,32.55
VBAT on Bottom Layer "VBAT_L06_P011" (solid, pour order 11): 4.25,12.8 4.25,14 2.75,14 2.75,12.8
VBAT on Bottom Layer "VBAT_L06_P010" (solid, pour order 10): 5.25,9.05 2.75,9.05 2.75,5.8 3.55,5.8 3.55,7.55 4.55,7.55 4.55,8.45 5.25,8.45
VBAT on Bottom Layer "VBAT_L06_P007" (solid, pour order 7): 5.25,28.2 2.75,28.2 2.75,26.7 4.55,26.7 4.55,27.65 5.25,27.65
VBAT on Bottom Layer "VBAT_L06_P006" (solid, pour order 6): 5.25,33.45 2.75,33.45 2.75,31.95 4.55,31.95 4.55,32.85 5.25,32.85
VBAT on Bottom Layer "VBAT_L06_P002" (solid, pour order 2): 20.75,12.8 23.25,12.8 23.25,14.2 21.45,14.2 21.45,13.35 20.75,13.35
VBAT on Bottom Layer "VBAT_L06_P001" (solid, pour order 1): 20.75,7.55 23.25,7.55 23.25,9.05 21.45,9.05 21.45,8.15 20.75,8.15
GND on Layer 1 "GND_L02_P023" (solid, remove dead copper, pour order 23): 0.8,0.8 0.8,40.2 25.2,40.2 25.2,0.8
VBAT on Layer 1 "VBAT_L02_P018" (solid, pour order 18): 2.75,35.65 23.25,35.65 23.25,37.45 2.75,37.45
VBAT on Layer 1 "VBAT_L02_P016" (solid, pour order 16): 23.25,7.55 23.25,36 21.75,36 21.75,7.55
VBAT on Layer 1 "VBAT_L02_P017" (solid, pour order 17): 2.75,7.55 2.75,36 4.25,36 4.25,7.55
GND on Layer 2 "GND_L03_P024" (solid, remove dead copper, pour order 24): 0.8,0.8 0.8,40.2 25.2,40.2 25.2,0.8
VBAT on Layer 2 "VBAT_L03_P021" (solid, pour order 21): 2.75,35.65 23.25,35.65 23.25,37.45 2.75,37.45
VBAT on Layer 2 "VBAT_L03_P019" (solid, pour order 19): 23.25,7.55 23.25,36 21.75,36 21.75,7.55
VBAT on Layer 2 "VBAT_L03_P020" (solid, pour order 20): 2.75,7.55 2.75,36 4.25,36 4.25,7.55
GND on Layer 3 "GND_L04_P025" (solid, remove dead copper, pour order 25): 0.8,0.8 0.8,40.2 25.2,40.2 25.2,0.8
GND on Layer 4 "GND_L05_P026" (solid, remove dead copper, pour order 26): 0.8,0.8 0.8,40.2 25.2,40.2 25.2,0.8

## Keep-outs
Keep-Out Layer:
  the board outline again, w0.1

## Silkscreen, mask and mechanical layers (free items; w line width, h text height)
Top Overlay:
  drawing of 27 lines, arcs and shapes, not listed
  text "INTERFACE" at 8.691,36.8 h0.6 r90
  text "5V" at 10.438,34.985 h0.6 r90
  text "TX6" at 10.939,34.825 h0.6 r90
  text "TX3" at 11.939,34.827 h0.6 r90
  text "TX3" at 12.439,34.827 h0.6 r90
  text "RX6" at 11.439,34.809 h0.6 r90
  text "RGB" at 13.941,34.738 h0.6 r90
  text "SCK" at 15.441,34.745 h0.6 r90
  text "GND" at 15.941,34.731 h0.6 r90
  text "SCL2" at 12.941,34.639 h0.6 r90
  text "MOSI" at 14.441,34.653 h0.6 r90
  text "MISO" at 14.941,34.646 h0.6 r90
  text "SDA2" at 13.441,34.609 h0.6 r90
  text "M" at 1.12,33.463 h1.5 r270
  text "1" at 24.882,32.789 h1.5 r90
  text "3" at 1.127,30.319 h1.5 r270
  text "M" at 24.88,29.537 h1.5 r90
  text "UART4" at 5.172,26.133 h1.2 r270
  text "BAT" at 23.783,23.95 h1.2 r90
  text "GND" at 23.783,20.863 h1.2 r90
  text "SYSTEM / LED" at 14.849,19.03 h0.8
  text "9V" at 23.778,18.363 h1.2 r90
  text "GND" at 23.783,14.863 h1.2 r90
  text "Project YanQi V3.0" at 6.268,14.092 h1
  text "M" at 1.12,11.463 h1.5 r270
  text "4" at 24.882,10.655 h1.5 r90
  text "2" at 1.118,8.322 h1.5 r270
  text "M" at 24.88,7.537 h1.5 r90
Bottom Overlay:
  drawing of 25 lines, arcs and shapes, not listed
  text "INTERFACE" at 17.309,36.8 h0.6 r270
  text "5V" at 15.562,34.985 h0.6 r270
  text "TX1" at 10.558,34.859 h0.6 r270
  text "RX1" at 11.058,34.843 h0.6 r270
  text "Tx7" at 12.558,34.857 h0.6 r270
  text "TX5" at 11.562,34.823 h0.6 r270
  text "RX7" at 13.058,34.811 h0.6 r270
  text "TX2" at 14.558,34.829 h0.6 r270
  text "RX2" at 15.058,34.813 h0.6 r270
  text "RX5" at 12.062,34.807 h0.6 r270
  text "GND" at 10.059,34.731 h0.6 r270
  text "AUX1" at 13.561,34.63 h0.6 r270
  text "AUX2" at 14.061,34.6 h0.6 r270
  text "GND" at 9.949,26.38 h1
  text "M1" at 9.216,24.979 h1
  text "M2" at 9.267,23.579 h1
  text "M3" at 9.27,22.184 h1
  text "Designed By" at 13.251,21.847 h1.2 r270
  text "后厂村路练习生" at 11.587,21.23 h1 r270
  text "M4" at 9.279,20.779 h1
  text "BOOT0" at 8.345,17.817 h0.8 r270
  text "Project YanQi V3.0" at 14.988,16.202 h1.5 r270
  text "SWDIO" at 8.177,13.617 h0.7 r270
  text "SWCLK" at 8.977,13.519 h0.7 r270
  text "DP" at 12.558,6.16 h0.6 r270
  text "DM" at 13.058,6.122 h0.6 r270
  text "USB" at 10.065,4.117 h1.2
  text "BMI088 x 2 / ICM42688P / BMP388 / UART x 7" at 21.646,0.787 h1.1
Mechanical 1:
  the board outline again, w0.1